# KiCad board cell-sim.kicad_pcb (continued)
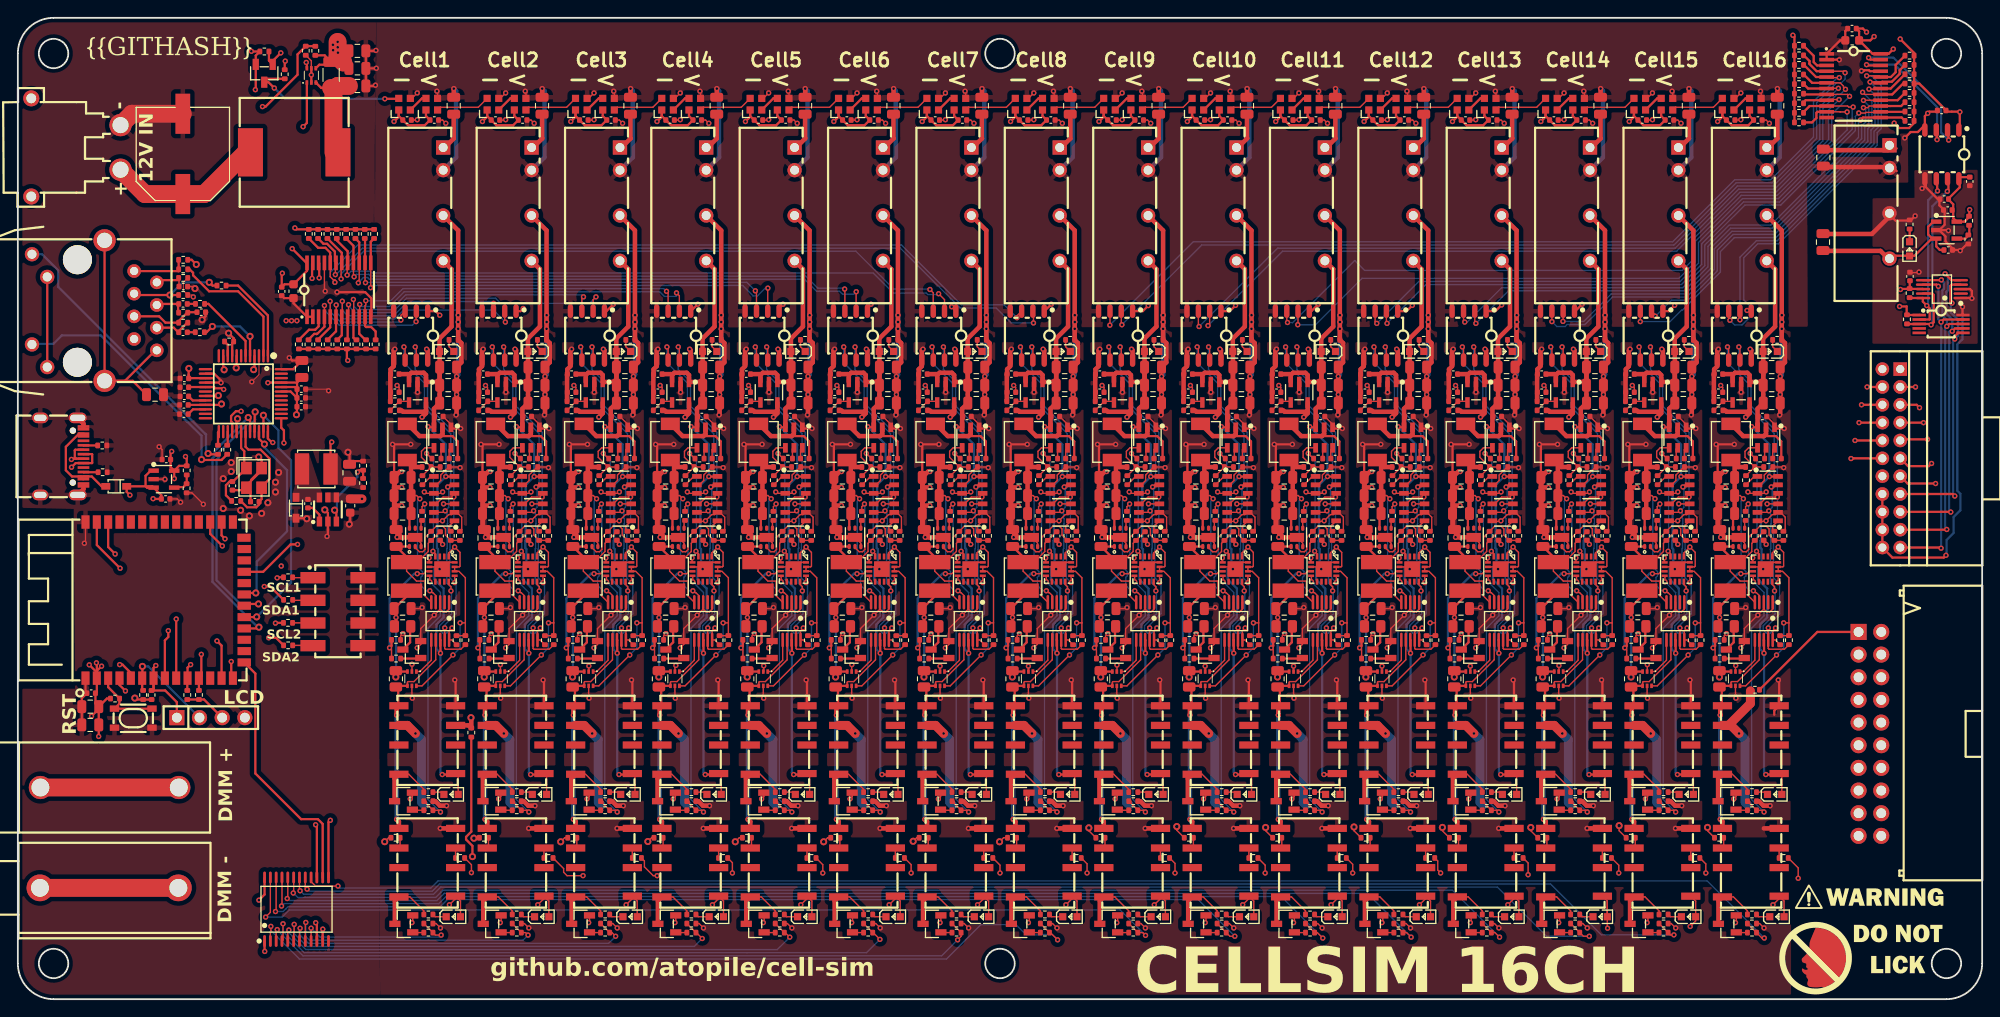
[diagram p0: board, top side]
## Routing (per net, layer and track width the routed paths; a pad name or vN(x,y) marks a point on that pad's centre or on a via; arc(x,y) is an arc through that point) (continued)
  Bottom w0.25: U10.2 14.6,37.3 v1(13.95,37.3)
MICRO_I2C_1_SDA: length 66.9
  Top w0.25: v2(27.6,46.26) 28.27,46.26 R472.1 ; U10.1 17.8,33.29 16.5,34.6 15.2,34.6 U1.7 ; v2(15.45,37.4) 15.2,37.14 U1.7 ; U11.23 32.95,82.45 v2(32.95,80.79) ; U1.7 15.2,34.82 R54.1
  In1.Cu w0.25: v2(15.45,37.4) 15.45,38.16 23.54,46.26 v2(27.6,46.26) ; v2(32.95,80.79) 32.95,80.76 32.38,80.19 32.38,55.73 30.25,53.6 30.25,49.3 v2(29.5,48.55)
  In2.Cu w0.25: v2(27.6,46.26) 27.6,46.75 29.05,48.2 29.15,48.2 v2(29.5,48.55)
MICRO_I2C_2_SCL: length 252.7
  Top w0.25: v2(20.55,38.65) 20.55,36.26 U1.11 20.28,35.98 20.28,34.76 ; 214.96,97.54 214.95,97.52 v2(214.95,96.35) ; v2(28.85,42.15) 28.88,42.18 R473.1 ; v2(207.05,104.75) 207.14,104.66 U12.22
  In1.Cu w0.25: v2(20.55,38.65) 21.43,39.52 26.23,39.52 v2(28.85,42.15) 40.1,53.4 40.1,74.85 45.25,80 49.76,80 54.81,85.05 203.44,85.05 210.85,92.46 210.85,93.5 213.7,96.35 v2(214.95,96.35)
  Bottom w0.25: v2(207.05,104.75) 210.21,104.75 214.95,100.01 v2(214.95,96.35)
MICRO_I2C_2_SDA: length 256.9
  Top w0.25: v2(19.35,37.5) 19.01,37.15 U1.10 18.98,35.96 18.98,34.81 ; R474.1 28.91,40.51 v2(28.09,40.51) ; U12.23 207.5,105.31 v2(207.28,105.53) ; 216.23,97.54 216.23,96.32 v2(216.25,96.3)
  In1.Cu w0.25: v2(216.25,96.3) 215.68,95.72 213.71,95.72 211.3,93.31 211.3,92.27 203.63,84.6 55,84.6 49.95,79.55 45.44,79.55 40.55,74.66 40.55,53.21 29.48,42.14 29.48,41.89 v2(28.09,40.51) 27.96,40.51 26.53,39.07 21.61,39.07 21.18,38.64 21.18,38.39 20.77,37.99 19.69,37.99 19.35,37.65 v2(19.35,37.5)
  Bottom w0.25: v2(207.28,105.53) 210.07,105.53 215.4,100.2 215.4,97.15 v2(216.25,96.3)
MICRO_SPI_2_CS: length 30.8
  Top w0.25: 25.36,41.55 26.86,41.55 v1(27,41.7) ; v1(25.8,65.2) 26.01,64.99 U4.32
  Bottom w0.25: v1(25.8,65.2) 22.03,61.43 22.03,60.86 21.8,60.63 21.8,46.77 26.87,41.7 v1(27,41.7)
MICRO_SPI_2_MISO: length 22.2
  Top w0.25: v1(26.65,45.53) 25.52,45.53 U1.21 ; v1(27.61,62.21) 27.01,62.82 U4.34
  Bottom w0.25: v1(27.61,62.21) 27.61,61.84 30.15,59.3 30.15,52.45 26.75,49.05 26.75,45.63 v1(26.65,45.53)
MICRO_SPI_2_MOSI: length 28.7
  Top w0.25: v1(26.75,42.85) 26.73,42.82 U1.19 ; U4.35 27.51,65.44 v1(27.5,65.45)
  Bottom w0.25: v1(27.5,65.45) 29.17,63.77 29.17,61.82 30.6,60.4 30.6,46.7 v1(26.75,42.85)
MICRO_SPI_2_SCK: length 30.6
  Top w0.25: U4.33 26.53,63.63 26.53,65.78 v1(26.58,65.83) ; v1(26.95,44.3) 25.55,44.3 U1.20
  Bottom w0.25: v1(26.95,44.3) 24.91,44.3 22.25,46.96 22.25,60.45 22.48,60.68 22.48,61.24 25.71,64.47 26.1,64.47 26.58,64.95 v1(26.58,65.83)
mux_1.ic-reset_: length 3.9
  Top w0.25: R20.1 32.61,75.04 33.31,75.04 33.69,75.42 U11.3
mux_1.ic-scl: length 15.7
  Top w0.15: v2(42.9,76.12) 42.9,76.65 U32.3 ; v2(34.97,78.23) 34.98,78.22 U11.5
  Top w0.25: U11.5 34.98,75.31 33.61,73.94
  Bottom w0.15: v2(42.9,76.12) 42.67,75.9 36.14,75.9 34.97,77.07 v2(34.97,78.23)
mux_1.ic-scl-1: length 24.4
  Top w0.15: v2(36.34,78.24) 36.34,76.56 36.28,76.49 ; v2(53.27,78) U46.3
  Top w0.25: 35.73,73.88 36.28,74.42 36.28,76.49
  Bottom w0.15: v2(53.27,78) 53.07,78.2 43.67,78.2 42.07,76.6 36.95,76.6 36.34,77.21 v2(36.34,78.24)
mux_1.ic-scl-2: length 33.9
  Top w0.15: U60.3 63.17,78.54 v2(63.35,78.72) ; v2(37.58,78.43) 37.61,78.4 37.61,76.52 U11.9
  Top w0.25: 37.88,73.84 37.59,74.13 U11.9
  Bottom w0.15: v2(63.35,78.72) 63.12,78.95 43.43,78.95 41.78,77.3 38,77.3 37.61,77.69 37.61,78.4 v2(37.58,78.43)
mux_1.ic-scl-3: length 41.9
  Top w0.15: v2(38.97,78.29) 38.97,77.82 38.89,77.73 U11.11 ; U74.3 72.83,79.17 v2(72.65,79.35)
  Top w0.25: R27.2 40.07,74.85 39.57,75.34 39,75.34 38.89,75.46 U11.11
  Bottom w0.15: v2(72.65,79.35) 72.35,79.65 43.14,79.65 41.78,78.29 v2(38.97,78.29)
mux_1.ic-scl-4: length 51.4
  Top w0.15: U88.3 82.73,79.27 v2(82.6,79.4) ; v2(38.93,80.32) 38.89,80.36 U11.14
  Top w0.25: R29.2 38.89,85.24 U11.14
  Bottom w0.15: v2(82.6,79.4) 81.65,80.35 38.97,80.35 v2(38.93,80.32)
mux_1.ic-scl-5: length 62.9
  Top w0.15: v2(92.6,79.6) 92.63,79.57 U102.3 ; U11.16 37.59,81.05 v2(37.66,80.98)
  Top w0.25: U11.16 37.59,84.45 R31.2
  Bottom w0.15: v2(92.6,79.6) 92.5,79.7 89.6,79.7 89.6,79.7 88.24,81.05 39.51,81.05 39.32,81.24 37.92,81.24 v2(37.66,80.98)
mux_1.ic-scl-6: length 77.1
  Top w0.15: v2(102.15,79.55) 102.52,79.18 U116.3 ; v2(36.21,80.74) 36.21,82.47 36.28,82.53
  Top w0.25: 36.28,82.53 36.28,83.67 R33.2
  Bottom w0.15: v2(102.15,79.55) 102.1,79.6 98.09,79.6 93.86,83.84 38.74,83.84 36.21,81.3 v2(36.21,80.74)
mux_1.ic-scl-7: length 90.7
  Top w0.15: U130.3 111.89,76.59 v2(111.89,76.38) ; v2(35.51,80.35) 35.51,80.64 35.32,80.64 34.98,80.98 U11.20
  Top w0.25: R35.2 33.63,84.22 34.45,84.22 34.98,83.68 U11.20
  Bottom w0.15: v2(111.89,76.38) 110.45,77.82 105.68,77.82 98.97,84.54 38.07,84.54 34.99,81.45 34.99,80.98 35.32,80.64 35.51,80.64 v2(35.51,80.35)
mux_1.ic-sda: length 17.6
  Top w0.15: v2(44.6,75.95) 44.6,77.09 U32.2 ; v2(34.34,77.75) 34.34,76.49
  Top w0.25: 33.45,74.53 33.49,74.58 33.19,74.58 32.55,73.94 ; 34.34,76.49 34.34,75.38 33.53,74.58
  Bottom w0.15: v2(34.34,77.75) 34.34,77.21 36,75.55 44.2,75.55 v2(44.6,75.95)
mux_1.ic-sda-1: length 26.6
  Top w0.15: v2(54.6,75.9) 54.53,75.97 U46.2 ; U11.6 35.66,76.52 v2(35.66,77.82)
  Top w0.25: U11.6 35.64,74.87 34.67,73.91
  Bottom w0.15: v2(54.6,75.9) 53.26,77.24 43.2,77.24 42.21,76.25 36.4,76.25 35.65,77 35.65,77.81 v2(35.66,77.82)
mux_1.ic-sda-2: length 35.2
  Top w0.15: v2(64.75,78.72) 64.43,78.4 U60.2 ; U11.8 37.04,76.6 v2(37.04,77.85)
  Top w0.25: U11.8 36.94,73.99 36.79,73.85
  Bottom w0.15: v2(64.75,78.72) 64.03,78 54.08,78 53.51,78.57 43.55,78.57 41.92,76.95 37.8,76.95 37.04,77.71 v2(37.04,77.85)
mux_1.ic-sda-3: length 43.4
  Top w0.15: v2(73.77,79.17) 74.09,78.85 U74.2 ; v2(38.28,77.87) 38.28,76.54 U11.10
  Top w0.25: U11.10 38.23,74.59 38.96,73.86
  Bottom w0.15: v2(73.77,79.17) 73.77,78.83 73.71,78.77 72.41,78.77 71.89,79.3 43.28,79.3 41.63,77.65 38.51,77.65 v2(38.28,77.87)
mux_1.ic-sda-4: length 53.8
  Top w0.15: v2(39.5,79.75) 39.53,79.77 U11.13 ; U88.2 83.99,79.69 v2(84,79.7)
  Top w0.25: U11.13 39.53,84.9 R30.2
  Bottom w0.15: v2(84,79.7) 83.86,79.84 82.84,78.82 82.36,78.82 81.19,80 39.75,80 v2(39.5,79.75)
mux_1.ic-sda-5: length 64.3
  Top w0.15: v2(38.13,80.3) 38.13,80.53 38.23,80.63 U11.15 ; v2(93.9,79.3) 93.89,79.29 U102.2
  Top w0.25: R32.2 38.23,84.84 U11.15
  Bottom w0.15: v2(38.13,80.3) 38.11,80.3 38.7,80.89 39.17,80.89 39.36,80.7 88.1,80.7 89.45,79.35 89.74,79.35 89.74,79.35 92.04,79.35 92.36,79.02 93.63,79.02 v2(93.9,79.3)
mux_1.ic-sda-6: length 74.4
  Top w0.15: v2(36.88,81.17) 36.88,82.48 U11.17 ; U116.2 103.78,78.42 v2(103.13,79.07)
  Top w0.25: U11.17 36.94,83.83 35.72,85.05 R34.2
  Bottom w0.15: v2(36.88,81.17) 37.31,81.59 39.46,81.59 39.65,81.4 95.8,81.4 98.05,79.15 101.74,79.15 101.91,78.97 103.03,78.97 v2(103.13,79.07)
mux_1.ic-sda-7: length 89.5
  Top w0.15: v2(35.56,81.22) 35.56,82.46 U11.19 ; U130.2 113.75,77.05 v2(113.75,75.8)
  Top w0.25: R36.2 34.22,84.67 34.63,84.67 35.51,83.79 35.51,82.72 35.7,82.53 U11.19
  Bottom w0.15: v2(35.56,81.22) 35.62,81.22 38.6,84.19 98.82,84.19 105.54,77.47 109.58,77.47 111.25,75.8 v2(113.75,75.8)
mux_2.ic-reset_: length 3.9
  Top w0.25: R37.1 201.13,105.74 201.13,105.04 201.51,104.66 U12.3
mux_2.ic-scl: length 101.7
  Top w0.15: U12.5 202.65,103.3 v2(204,103.3) ; v2(122.3,75.55) 122.32,75.57 U144.3
  Top w0.25: U12.5 201.4,103.36 200.03,104.74
  Bottom w0.15: v2(204,103.3) 203.79,103.3 201.11,100.62 201.11,96.64 196.32,91.85 192.3,91.85 185.34,84.89 131.64,84.89 v2(122.3,75.55)
mux_2.ic-scl-1: length 90.7
  Top w0.15: U12.7 202.61,102.1 v2(203.9,102.1) ; v2(132.3,75.4) 132.22,75.48 U158.3
  Top w0.25: 199.97,102.62 200.51,102.07 U12.7
  Bottom w0.15: v2(203.9,102.1) 201.81,100.01 201.81,96.35 196.61,91.15 192.59,91.15 185.63,84.19 141.09,84.19 v2(132.3,75.4)
mux_2.ic-scl-2: length 81.9
  Top w0.15: v2(142.2,75.85) 142.12,75.93 U172.3 ; U12.9 202.66,100.84 v2(203.98,100.84)
  Top w0.25: U12.9 200.22,100.76 199.93,100.47
  Bottom w0.15: v2(203.98,100.84) 202.8,99.66 202.8,96.34 196.9,90.45 192.88,90.45 187.54,85.11 187.54,82.8 186.43,81.69 150.85,81.69 149.74,82.8 142.77,75.84 142.21,75.84 v2(142.2,75.85)
mux_2.ic-scl-3: length 72.5
  Top w0.15: U186.3 152.02,75.93 v2(152.2,75.75) ; U12.11 204.08,99.46 204.1,99.45 v2(204.88,99.45)
  Top w0.25: U12.11 201.55,99.46 201.44,99.35 201.44,98.78 200.94,98.28 R44.2
  Bottom w0.15: v2(152.2,75.75) 156.9,80.45 186.18,80.45 188.24,82.51 188.24,84.82 193.17,89.75 197.19,89.75 204.88,97.43 204.88,98.3 ; 204.88,98.02 204.88,98.3 ; 204.88,98.3 v2(204.88,99.45)
mux_2.ic-scl-4: length 62.6
  Top w0.15: v2(206.18,99.33) 206.92,99.33 206.99,99.4 208.56,99.4 U12.14 ; U200.3 161.92,76.03 v2(162.05,75.9)
  Top w0.25: R46.2 211.33,99.46 U12.14
  Bottom w0.15: v2(206.18,99.33) 205.8,98.95 205.8,97.36 197.44,89.01 193.42,89.01 188.94,84.53 188.94,82.22 186.47,79.75 166.19,79.75 162.34,75.9 v2(162.05,75.9)
mux_2.ic-scl-5: length 56.3
  Top w0.15: U12.16 206.72,100.76 v2(206.71,100.75) ; v2(171.81,75.95) U214.3
  Top w0.25: U12.16 210.54,100.76 R48.2
  Bottom w0.15: v2(171.81,75.95) 172.36,75.4 173.29,75.4 173.51,75.62 175.52,75.62 178.6,78.7 186.9,78.7 189.99,81.79 189.99,84.09 191.96,86.07 196.61,86.07 206.85,96.3 206.85,97.72 207.3,98.17 207.3,100.15 v2(206.71,100.75)
mux_2.ic-scl-6: length 47.9
  Top w0.15: U12.18 208.56,102.01 v2(207.33,102.01) ; v2(181.71,75.95) U228.3
  Top w0.25: U12.18 209.76,102.07 R50.2
  Bottom w0.15: v2(181.71,75.95) 185.05,75.95 186.34,77.24 186.43,77.24 190.69,81.5 190.69,83.8 192.25,85.37 196.9,85.37 207.55,96.01 207.55,97.43 208,97.88 208,101.34 v2(207.33,102.01)
mux_2.ic-scl-7: length 46
  Top w0.15: v2(207.07,103.5) 208.49,103.5 U12.20 ; U242.3 191.61,76.24 v2(191.75,76.1)
  Top w0.25: R52.2 210.31,104.72 210.31,103.9 209.77,103.36 U12.20
  Bottom w0.15: v2(191.75,76.1) 192.27,75.57 193.11,75.57 194.25,76.71 194.25,77.44 193.3,78.38 193.3,83.11 194.86,84.67 197.19,84.67 208.25,95.72 208.25,97.14 208.7,97.59 208.7,102.4 207.6,103.5 v2(207.07,103.5)
mux_2.ic-sda: length 102.7
  Top w0.15: v2(123.65,75.6) 123.58,75.67 U144.2 ; U12.4 204.49,104.01 v2(204.65,103.85)
  Top w0.25: 200.62,104.9 200.67,104.86 200.67,105.16 200.03,105.8 ; U12.4 201.47,104.01 200.67,104.81
  Bottom w0.15: v2(123.65,75.6) 132.59,84.54 185.48,84.54 192.44,91.5 196.47,91.5 201.46,96.49 201.46,100.47 203.74,102.75 203.76,102.72 204.24,102.72 204.65,103.14 v2(204.65,103.85)
mux_2.ic-sda-1: length 91.7
  Top w0.15: v2(204.69,101.99) 204.48,102.21 204.48,102.34 204.1,102.71 U12.6 ; U158.2 133.48,75.68 v2(133.3,75.5)
  Top w0.25: U12.6 200.96,102.71 200,103.68
  Bottom w0.15: v2(204.69,101.99) 204.15,101.45 203.77,101.45 202.16,99.84 202.16,96.2 196.76,90.8 192.73,90.8 185.77,83.84 141.64,83.84 v2(133.3,75.5)
mux_2.ic-sda-2: length 82.4
  Top w0.15: v2(205.15,101.2) 204.94,101.41 U12.8 ; U172.2 143.38,75.63 v2(143.35,75.6)
  Top w0.25: U12.8 200.08,101.41 199.94,101.56
  Bottom w0.15: v2(205.15,101.2) 203.15,99.2 203.15,96.2 197.05,90.1 193.02,90.1 187.89,84.96 187.89,82.66 186.03,80.8 150.55,80.8 145.35,75.6 v2(143.35,75.6)
mux_2.ic-sda-3: length 72.4
  Top w0.15: U12.10 204.94,100.11 205.05,100 v2(205.55,100) ; U186.2 153.28,75.82 v2(153.35,75.75)
  Top w0.25: U12.10 200.68,100.11 199.95,99.39
  Bottom w0.15: v2(205.55,100) 205.45,99.9 205.45,98 ; 205.45,98 205.45,97.51 197.3,89.36 193.27,89.36 188.59,84.67 188.59,82.37 186.32,80.1 157.7,80.1 v2(153.35,75.75) ; 205.45,98 205.45,97.96
mux_2.ic-sda-4: length 61.6
  Top w0.15: U200.2 163.18,75.87 v2(163.3,75.75)
  Top w0.25: R47.2 210.99,98.82 U12.13 206.65,98.82 v2(206.38,98.55)
  Bottom w0.15: v2(163.3,75.75) 166.95,79.4 186.61,79.4 189.29,82.08 189.29,84.38 191.67,86.77 196.32,86.77 206.15,96.59 206.15,98.32 v2(206.38,98.55)
mux_2.ic-sda-5: length 54.6
  Top w0.15: U214.2 173.07,76 v2(173.05,75.97) ; 209.7,100.11 207.37,100.11 207.18,99.93 v2(206.71,99.93)
  Top w0.25: R49.2 210.93,100.11 U12.15
  Bottom w0.15: 206.95,99.75 206.77,99.93 v2(206.71,99.93) 206.95,99.69 206.95,98.31 206.61,97.97 206.5,97.97 206.5,96.45 196.47,86.42 191.82,86.42 189.64,84.24 189.64,81.93 186.76,79.05 178.46,79.05 175.38,75.97 v2(173.05,75.97)
mux_2.ic-sda-6: length 45.5
  Top w0.15: v2(183.4,76.55) 183.4,76.69 U228.2 ; v2(206.61,101.66) 206.85,101.41 U12.17
  Top w0.25: U12.17 209.93,101.41 211.14,102.63 R51.2
  Bottom w0.15: v2(183.4,76.55) 185.2,78.35 187.05,78.35 190.34,81.64 190.34,83.95 192.11,85.72 196.76,85.72 207.2,96.16 207.2,97.57 207.65,98.02 207.65,100.62 v2(206.61,101.66)
mux_2.ic-sda-7: length 40.9
  Top w0.15: U12.19 208.54,102.8 v2(207.45,102.8) ; v2(192.87,76.15) U242.2
  Top w0.25: R53.2 210.76,104.13 210.76,103.72 209.88,102.84 208.81,102.84 208.62,102.65 U12.19
  Bottom w0.15: v2(207.45,102.8) 208.35,101.9 208.35,97.73 207.9,97.28 207.9,95.87 197.05,85.02 194.72,85.02 192.87,83.17 v2(192.87,76.15)
POWER_3V3_VCC: length 337.4
  Top w0.1: v2(19.65,78.72) 19.44,78.93 R9.1 18.53,79.43 18.53,80.35 R10.1
  Top w0.15: U242.1 193.75,77.12 v2(193.67,77.2)
  Top w0.25: v2(17.23,61.4) 17.11,61.28 C32.1 17.11,59.64 U14.5 ; 21.9,68.61 U4.17 19.15,68.61 C13.1 ; 21.9,68.61 22.04,68.47 22.93,68.47 v2(23.05,68.35) ; 21.9,68.61 22.01,68.61 ; U1.2 8.85,37.65 v2(8.8,37.7) ; U1.2 8.85,36.63 v2(8,37.47) ; U1.2 8.85,36.79 v2(9.38,37.32) ; U1.2 8.85,34.46 C1.1 8.69,33.16 C2.1 ; v1(26.41,70.56) 26.51,70.66 U4.4 ; C12.1 19.13,70.68 v1(19.15,70.7) ; C12.1 19.16,69.61 U4.15 21.85,69.61 ; C12.1 19.08,69.53 ; C12.1 19.13,70.04 ; U74.1 75.37,77.12 v2(76.15,77.9) ; U214.1 174.42,77.12 v2(175.2,77.9) ; U88.1 85.26,77.46 v2(85.7,77.9) ; C16.1 19.09,66.61 U4.21 22.71,66.61 v1(22.81,66.71) ; v2(198.8,108.05) 198.98,107.87 R44.1 ; v2(25,65.9) 24.42,65.9 23.88,65.36 23.88,64.76 24.01,64.64 U4.28 ; C15.1 31.26,68.37 C14.1 31.26,65.57 v1(31.21,65.51) ; C15.1 31.27,69.15 C17.1 31.24,69.11 U4.45 28.01,69.11 v2(28,69.1) ; C15.1 31.04,68.61 U4.44 ; v2(27.65,5.35) 27.63,5.37 U16.1 ; v1(24.46,70.76) 24.51,70.81 U4.8 ; U228.1 184.9,77.12 v2(185.56,77.77) ; v2(47.25,76.67) 46.8,77.12 U32.1 ; U172.1 144.87,77.12 v2(145.65,77.9) ; v2(8.25,31.72) 9.06,32.54 C2.1 ; U10.3 20.85,33.59 R57.2 18.98,33.59 R56.2 ; U14.5 18.05,59.78 R60.1 18.91,60.69 v2(18.78,60.82) ; U14.5 17.51,58.36 v2(17.53,58.35) ; v1(13.1,33.75) 13.26,33.59 R55.2 14.04,33.58 R54.2 ; v2(210.05,106.5) 209.51,105.96 U12.24 207.73,105.96 C27.1 ; U7.6 32.37,104.93 v2(32.3,105) ; v2(207.9,107.9) 207.48,107.48 C27.1 ; C27.1 206.22,108.48 C26.1 206.65,108.8 v2(207.05,108.4) ; C2.1 C3.1 9.06,29.46 v2(9.05,29.45) ; C2.1 9.97,33.69 R1.1 ; U16.24 27.63,11.73 v2(27,11.1) ; v2(29.62,81.37) 29.55,81.3 C24.1 29.87,80.13 C25.1 32.39,81.64 U11.24 32.31,82.53 v2(30.73,84.12) ; U4.11 23.01,70.64 v1(23.1,70.55) ; v2(104.58,77.62) 105.05,77.15 U116.1 ; U5.12 U5.10 ; v2(126.61,77.74) 125.98,77.12 U144.1 ; U158.1 135.73,77.12 v2(136.38,77.77) ; v2(166.18,77.82) 165.48,77.12 U200.1 ; v2(29.45,106.07) 28.55,105.17 U15.1 28.12,105.21 R62.1 ; R26.1 36.85,71.7 v2(36.95,71.6) ; U46.1 56.3,77.12 v2(56.6,77.42) ; 217.5,97.54 217.5,99.44 v2(217.5,99.45) 217.46,99.48 216.1,99.48 215.74,99.84 215.74,99.85 212.96,102.63 R51.1 ; v2(210.82,107.62) 212.38,106.07 R47.1 212.38,98.21 211.82,97.65 210.7,97.65 v2(210.15,98.2) ; U60.1 65.92,77.12 v2(66.7,77.9) ; v2(95.55,77.9) 95.16,77.51 U102.1 ; R27.1 31.48,72.89 R20.2 ; R8.1 19.46,82.88 v1(19.99,82.36) ; R30.1 R35.1 31.19,86.29 v2(31.03,86.45) ; v2(115.75,77.9) 114.97,77.12 U130.1 ; v2(156.18,77.77) 155.53,77.12 U186.1 ; U4.43 30.55,68.11 C11.1
  In2.Cu w0.15: 193.15,77.9 193.67,77.38 v2(193.67,77.2)
  In2.Cu w1: v2(30.05,76.05) 38.14,76.05 39.79,77.7 47.4,77.7 ; v2(47.25,76.67) 47.4,76.82 47.4,77.7 ; 47.4,77.7 49.75,77.7 50.45,77 54.23,77 54.96,77.72 65.78,77.72 65.95,77.9 v2(66.7,77.9) v2(85.7,77.9) v2(95.55,77.9) v2(115.75,77.9) v2(145.65,77.9) v2(175.2,77.9) 193.15,77.9
  vias: v2(30.65,76.05) v2(31.25,76.05)
POWER_5V_VCC: length 199.3
  Top w0.15: v2(147.08,10.58) 147.77,11.28 U170.1 148.32,11 LED34.2 ; U226.1 187.91,11 LED46.2 187.91,8.76 v2(187.3,8.15) ; v2(87.69,10.58) 88.38,11.28 U86.1 88.93,11 LED16.2 ; v2(48.33,10.58) 49.03,11.28 U30.1 49.57,11 LED4.2 ; v2(58.23,10.58) 58.93,11.28 U44.1 59.47,11 LED7.2 ; LED37.2 158.22,11 U184.1 157.67,11.28 v2(156.98,10.58) ; v2(68.13,10.58) 68.82,11.28 U58.1 69.37,11 LED10.2 ; v2(127.28,10.58) 127.98,11.28 U142.1 128.52,11 LED28.2 ; LED22.2 108.73,11 U114.1 108.18,11.28 v2(107.49,10.58) ; v2(196.57,10.58) 197.27,11.28 U240.1 197.81,11 LED49.2 ; LED19.2 98.83,11 U100.1 98.28,11.28 v2(97.59,10.58) ; LED40.2 168.12,11 U198.1 167.57,11.28 v2(166.88,10.58) ; v2(178.05,7.95) 178.02,7.98 178.02,11 ; v2(137.18,10.58) 137.88,11.28 U156.1 138.42,11 LED31.2 ; 178.02,11 U212.1 ; 178.02,11 LED43.2 ; LED13.2 79.03,11 U72.1 78.48,11.28 v2(77.79,10.58) ; LED25.2 118.62,11 U128.1 118.08,11.28 v2(117.38,10.58)
  Top w0.25: v2(190.37,98.38) 190.9,98.91 U244.1 190.9,99 C294.1 191.94,97.96 193.82,97.96 C293.1 193.95,99 U243.1 ; U33.1 45.71,99 C53.1 45.58,97.96 43.7,97.96 C54.1 42.66,99 U34.1 42.66,98.91 v2(42.13,98.38) ; L2.2 35.02,62.32 v2(35.15,62.45) ; U103.1 94.96,99 C133.1 94.83,97.96 92.95,97.96 C134.1 91.92,99 U104.1 91.92,98.91 v2(91.39,98.38) ; U61.1 65.51,99 C85.1 65.37,97.96 63.49,97.96 C86.1 62.46,99 U62.1 62.46,98.91 v2(61.93,98.38) ; v2(52.03,98.38) 52.56,98.91 U48.1 52.56,99 C70.1 53.6,97.96 55.47,97.96 C69.1 55.61,99 U47.1 ; U173.1 144.46,99 C213.1 144.32,97.96 142.44,97.96 C214.1 141.41,99 U174.1 141.41,98.91 v2(140.88,98.38) ; v2(81.49,98.38) 82.02,98.91 U90.1 82.02,99 C118.1 83.05,97.96 84.93,97.96 C117.1 85.06,99 U89.1 ; U187.1 154.35,99 C229.1 154.22,97.96 152.34,97.96 C230.1 151.31,99 U188.1 151.31,98.91 v2(150.78,98.38) ; v2(29.95,105.15) 29.89,105.09 R63.1 ; U201.1 164.25,99 C245.1 164.12,97.96 162.24,97.96 C246.1 161.2,99 U202.1 161.2,98.91 v2(160.68,98.38) ; v2(101.29,98.38) 101.81,98.91 U118.1 101.81,99 C150.1 102.85,97.96 104.73,97.96 C149.1 104.86,99 U117.1 ; v2(180.47,98.38) 181,98.91 U230.1 181,99 C278.1 182.04,97.96 183.92,97.96 C277.1 184.05,99 U229.1 ; U145.1 124.66,99 C181.1 124.53,97.96 122.65,97.96 C182.1 121.61,99 U146.1 121.61,98.91 v2(121.08,98.38) ; U159.1 134.56,99 C197.1 134.42,97.96 132.55,97.96 C198.1 131.51,99 U160.1 131.51,98.91 v2(130.98,98.38) ; U14.3 14.46,57.34 14.3,57.5 14.3,58.66 14.88,59.24 U14.1 ; U14.3 15.07,57.48 DS2.1 12.19,56.86 v2(12.55,56.5) ; U14.3 16.07,56.48 C31.1 15.18,56.07 v2(15.15,56.1) ; U131.1 114.76,99 C165.1 114.63,97.96 112.75,97.96 C166.1 111.71,99 U132.1 111.71,98.91 v2(111.18,98.38) ; v2(71.59,98.38) 72.12,98.91 U76.1 72.12,99 C102.1 73.15,97.96 75.03,97.96 C101.1 75.17,99 U75.1 ; v2(170.58,98.38) 171.1,98.91 U216.1 171.1,99 C262.1 172.14,97.96 174.02,97.96 C261.1 174.15,99 U215.1
POWER_IN_GND: length 542.3
  Top w0.1: v2(26.2,69.2) 27.01,70.01 U4.3 ; C5.2 19.61,79.88 v1(19.84,79.65) ; C15.2 34.62,68.38 v2(34.8,68.2)
  Top w0.15: R384.2 165.38,8.48 v2(165.88,7.98) ; v2(87.29,98.18) 86.92,98.54 C117.2 ; v2(57.23,7.98) 56.74,8.48 R109.2 ; Q35.2 152.87,8.68 v2(152.78,8.58) ; Q8.2 64.02,8.68 v2(63.93,8.58) ; U89.3 86.36,101.7 v2(86.29,101.78) ; v2(185.27,101.78) 185.35,101.7 U229.3 ; R334.2 145.58,8.48 v2(146.08,7.98) ; Q44.2 182.57,8.68 v2(182.47,8.58) ; v2(18.23,55.7) 17.85,56.07 C31.2 ; U34.3 44.12,100.97 v2(44.73,101.58) ; U160.3 132.97,100.97 v2(133.58,101.58) ; C213.2 146.32,98.54 v2(146.68,98.18) ; C101.2 77.03,98.54 v2(77.39,98.18) ; v2(86.69,7.98) 86.19,8.48 R184.2 ; v2(143.48,101.58) 142.87,100.97 U174.3 ; U62.3 63.92,100.97 v2(64.53,101.58) ; U7.5 32.87,105.18 32.25,105.8 ; v2(192.97,101.58) 192.36,100.97 U244.3 ; v2(67.13,7.98) 66.63,8.48 R134.2 ; v2(162.68,8.58) 162.77,8.68 Q38.2 ; U76.3 73.58,100.97 v2(74.19,101.58) ; Q29.2 133.08,8.68 v2(132.98,8.58) ; R434.2 185.18,8.48 v2(185.67,7.98) ; U145.3 125.96,101.7 v2(125.88,101.78) ; Q41.2 172.67,8.68 v2(172.58,8.58) ; v2(20.78,55.47) 19.49,56.76 R61.2 ; v2(56.83,101.78) 56.91,101.7 U47.3 ; U215.3 175.45,101.7 v2(175.38,101.78) ; Q47.2 192.47,8.68 v2(192.37,8.58) ; R409.2 175.28,8.48 v2(175.78,7.98) ; C118.2 84.05,98.54 v2(84.09,98.58) ; v2(57.83,98.18) 57.47,98.54 C69.2 ; v2(44.73,98.58) 44.7,98.54 C54.2 ; v2(113.18,8.58) 113.28,8.68 Q23.2 ; v2(153.38,101.58) 152.77,100.97 U188.3 ; v2(93.39,8.58) 93.48,8.68 Q17.2 ; R159.2 76.29,8.48 v2(76.79,7.98) ; R234.2 105.99,8.48 v2(106.49,7.98) ; v2(183.07,98.58) 183.04,98.54 C278.2 ; R459.2 195.08,8.48 v2(195.57,7.98) ; v2(123.68,98.58) 123.65,98.54 C182.2 ; R209.2 96.09,8.48 v2(96.59,7.98) ; v2(93.99,101.58) 93.38,100.97 U104.3 ; v2(163.28,98.58) 163.24,98.54 C246.2 ; v2(96.19,101.78) 96.26,101.7 U103.3 ; v2(103.89,101.58) 103.28,100.97 U118.3 ; v2(113.78,98.58) 113.75,98.54 C166.2 ; v2(142.88,8.58) 142.97,8.68 Q32.2 ; v2(93.99,98.58) 93.95,98.54 C134.2 ; C70.2 54.59,98.54 v2(54.63,98.58) ; v2(67.73,98.18) 67.37,98.54 C85.2 ; v2(173.18,98.58) 173.14,98.54 C262.2 ; v2(46.93,101.78) 47.01,101.7 U33.3 ; v2(66.73,101.78) 66.81,101.7 U61.3 ; C181.2 126.52,98.54 v2(126.88,98.18) ; C102.2 74.15,98.54 v2(74.19,98.58) ; Q26.2 123.18,8.68 v2(123.08,8.58) ; R359.2 155.48,8.48 v2(155.98,7.98) ; C32.2 16.15,61.6 v2(15.83,61.92) ; C261.2 176.01,98.54 v2(176.38,98.18) ; v2(135.78,101.78) 135.86,101.7 U159.3 ; C86.2 64.49,98.54 v2(64.53,98.58) ; U48.3 54.02,100.97 v2(54.63,101.58) ; R309.2 135.69,8.48 v2(136.18,7.98) ; U75.3 76.47,101.7 v2(76.39,101.78) ; U146.3 123.07,100.97 v2(123.68,101.58) ; U216.3 172.57,100.97 v2(173.18,101.58) ; Q14.2 83.58,8.68 v2(83.49,8.58) ; R284.2 125.79,8.48 v2(126.28,7.98) ; v2(54.03,8.58) 54.13,8.68 Q5.2 ; C293.2 195.81,98.54 v2(196.17,98.18) ; v2(116.38,7.98) 115.89,8.48 R259.2 ; v2(84.09,101.58) 83.48,100.97 U90.3 ; v2(166.48,98.18) 166.11,98.54 C245.2 ; v2(34.42,79.35) 34.35,79.42 34.35,79.57 34.34,79.59 34.34,82.53 ; v2(136.78,98.18) 136.42,98.54 C197.2 ; v2(47.93,98.18) 47.57,98.54 C53.2 ; v2(133.58,98.58) 133.54,98.54 C198.2 ; v2(97.19,98.18) 96.82,98.54 C133.2 ; v2(103.29,8.58) 103.38,8.68 Q20.2 ; C150.2 103.85,98.54 v2(103.89,98.58) ; v2(145.68,101.78) 145.76,101.7 U173.3 ; R84.2 46.84,8.48 v2(47.33,7.98) ; v2(7.45,51.1) 7.58,51.22 U1.40 ; C230.2 153.34,98.54 v2(153.38,98.58) ; C149.2 106.72,98.54 v2(107.09,98.18) ; U14.2 16.46,58.29 v2(16.48,58.27) ; U132.3 113.18,100.97 v2(113.78,101.58) ; C294.2 192.94,98.54 v2(192.97,98.58) ; Q11.2 73.68,8.68 v2(73.59,8.58) ; v2(183.07,101.58) 182.47,100.97 U230.3 ; v2(115.98,101.78) 116.06,101.7 U131.3 ; U117.3 106.16,101.7 v2(106.09,101.78) ; Q2.2 44.23,8.68 v2(44.13,8.58) ; U187.3 155.65,101.7 v2(155.58,101.78) ; v2(156.58,98.18) 156.21,98.54 C229.2 ; U202.3 162.67,100.97 v2(163.28,101.58) ; C214.2 143.44,98.54 v2(143.48,98.58) ; v2(195.17,101.78) 195.25,101.7 U243.3 ; v2(165.48,101.78) 165.55,101.7 U201.3 ; v2(186.27,98.18) 185.91,98.54 C277.2 ; v2(116.98,98.18) 116.62,98.54 C165.2
  Top w0.25: C3.2 C2.2 7.16,33.73 C1.2 7.58,34.45 U1.1 ; U6.2 25.33,57.06 C18.2 ; U6.2 26.06,56.87 C19.2 ; U6.2 25.6,57.58 27.3,59.28 U6.4 ; U11.2 U11.1 30.87,78.01 C25.2 29.83,78.58 C24.2 ; 21.21,77 C8.2 21.02,76.54 v1(20.64,76.16) ; U4.29 24.51,64.96 v1(24.61,65.06) ; U6.4 27.3,60.45 v1(26.98,60.78) ; U6.4 27.3,59.4 26.13,58.23 ; U4.16 22.74,69.11 v2(22.75,69.1) 22.75,69.35 21.99,70.11 U4.14 ; U12.21 207.44,104.01 207.33,104.13 206.81,104.13 206.73,104.05 v2(206.49,104.05) ; v2(204,105.3) 203.99,105.31 U12.2 U12.1 204.1,107.48 C27.2 204.67,108.52 C26.2 ; v1(23.6,74.65) 24.17,74.08 R15.2 ; v1(36.97,61.31) 37.15,61.13 C29.2 37.5,60.31 R59.2 ; v1(32.36,53.85) 32.3,53.91 DS1.2 ; v1(37.12,53.24) 37.22,53.34 C28.2 ; v2(40.05,102.45) 39.96,102.36 C21.2 C22.2 40.05,106.3 v2(40.1,106.35) ; v1(34.38,54.85) 34.73,54.5 U13.2 34.73,51.97 v2(34.62,51.87) ; U4.9 24.01,73.55 R15.2 ; U11.12 39.59,76.56 39.59,78.56 38.9,79.25 v2(35.75,79.25) ; R15.2 24.17,74.05 ; U7.5 U7.2 ; U4.19 22.41,67.61 v1(22.46,67.66) ; C23.2 40.13,104.33 v2(40.15,104.35) ; U4.48 30.84,70.61 C17.2 30.71,71.59 v2(30.4,71.9) ; 210.43,92.82 210.07,93.17 203.06,93.17 ; 215.13,99.48 214.08,99.48 v2(213.9,99.3) 213.58,98.98 213.58,97.98 212.8,97.2 212,97.2 v2(211.33,96.54)
  Top w0.5: C169.2 127.78,101.11 v2(127.78,102.07) ; 209.73,92.92 209.38,93.27 202.42,93.27 ; U3.1 7.35,64.51 U3.A1 ; C153.2 117.88,101.11 v2(117.88,102.07) ; C233.2 167.37,101.11 v2(167.37,102.07) ; U3.2 7.35,57.17 U3.A12 ; C41.2 48.83,101.11 v2(48.83,102.07) ; v2(68.62,102.07) 68.62,101.11 C73.2 ; v2(187.17,102.07) 187.17,101.11 C265.2 ; v2(137.68,102.07) 137.68,101.11 C185.2 ; C137.2 107.98,101.11 v2(107.98,102.07) ; v2(88.18,102.07) 88.18,101.11 C105.2 ; C201.2 147.57,101.11 v2(147.57,102.07) ; v2(98.08,102.07) 98.08,101.11 C121.2 ; C217.2 157.47,101.11 v2(157.47,102.07) ; C89.2 78.28,101.11 v2(78.28,102.07) ; v2(197.07,102.07) 197.07,101.11 C281.2 ; v2(58.73,102.07) 58.73,101.11 C57.2 ; C249.2 177.27,101.11 v2(177.27,102.07)
  Top w2: C20.2 12.77,99.25 J1.1
  In2.Cu w2: 194.45,92.92 U22.2 ; 194.45,92.92 209.72,92.92 ; 194.45,92.92 U232.2
  Bottom w0.5: U36.2 58.98,94.37 58.98,101.81 v2(58.73,102.07) ; U92.2 98.34,94.37 98.34,101.81 v2(98.08,102.07) ; U232.2 197.32,94.37 197.32,101.81 v2(197.07,102.07) ; v2(117.88,102.07) 118.13,101.81 118.13,94.37 U120.2 ; v2(48.83,102.07) 49.08,101.81 49.08,94.37 U22.2 ; v2(78.28,102.07) 78.54,101.81 78.54,94.37 U64.2 ; v2(88.18,102.07) 88.44,101.81 88.44,94.37 U78.2 ; U176.2 157.73,94.37 157.73,101.81 v2(157.47,102.07) ; v2(177.27,102.07) 177.52,101.81 177.52,94.37 U204.2 ; U106.2 108.23,94.37 108.23,101.81 v2(107.98,102.07) ; U134.2 128.03,94.37 128.03,101.81 v2(127.78,102.07) ; v2(147.57,102.07) 147.83,101.81 147.83,94.37 U162.2 ; U50.2 68.88,94.37 68.88,101.81 v2(68.62,102.07) ; U218.2 187.42,94.37 187.42,101.81 v2(187.17,102.07) ; U190.2 167.63,94.37 167.63,101.81 v2(167.37,102.07) ; U148.2 137.93,94.37 137.93,101.81 v2(137.68,102.07)
  vias: v1(23,58.35) v1(23,55) v1(23.9,60.15) v1(23.9,59.15) v1(24.95,54.8) v1(25.93,54.17) v1(27.3,54.45) v1(28,55.65) v1(28.85,57.95) v1(28.85,56.85) v1(29.2,59.04) v2(32.87,103.6)
